# Altium PCB 1166V31.PcbDoc (part 2 of 7) (continued)
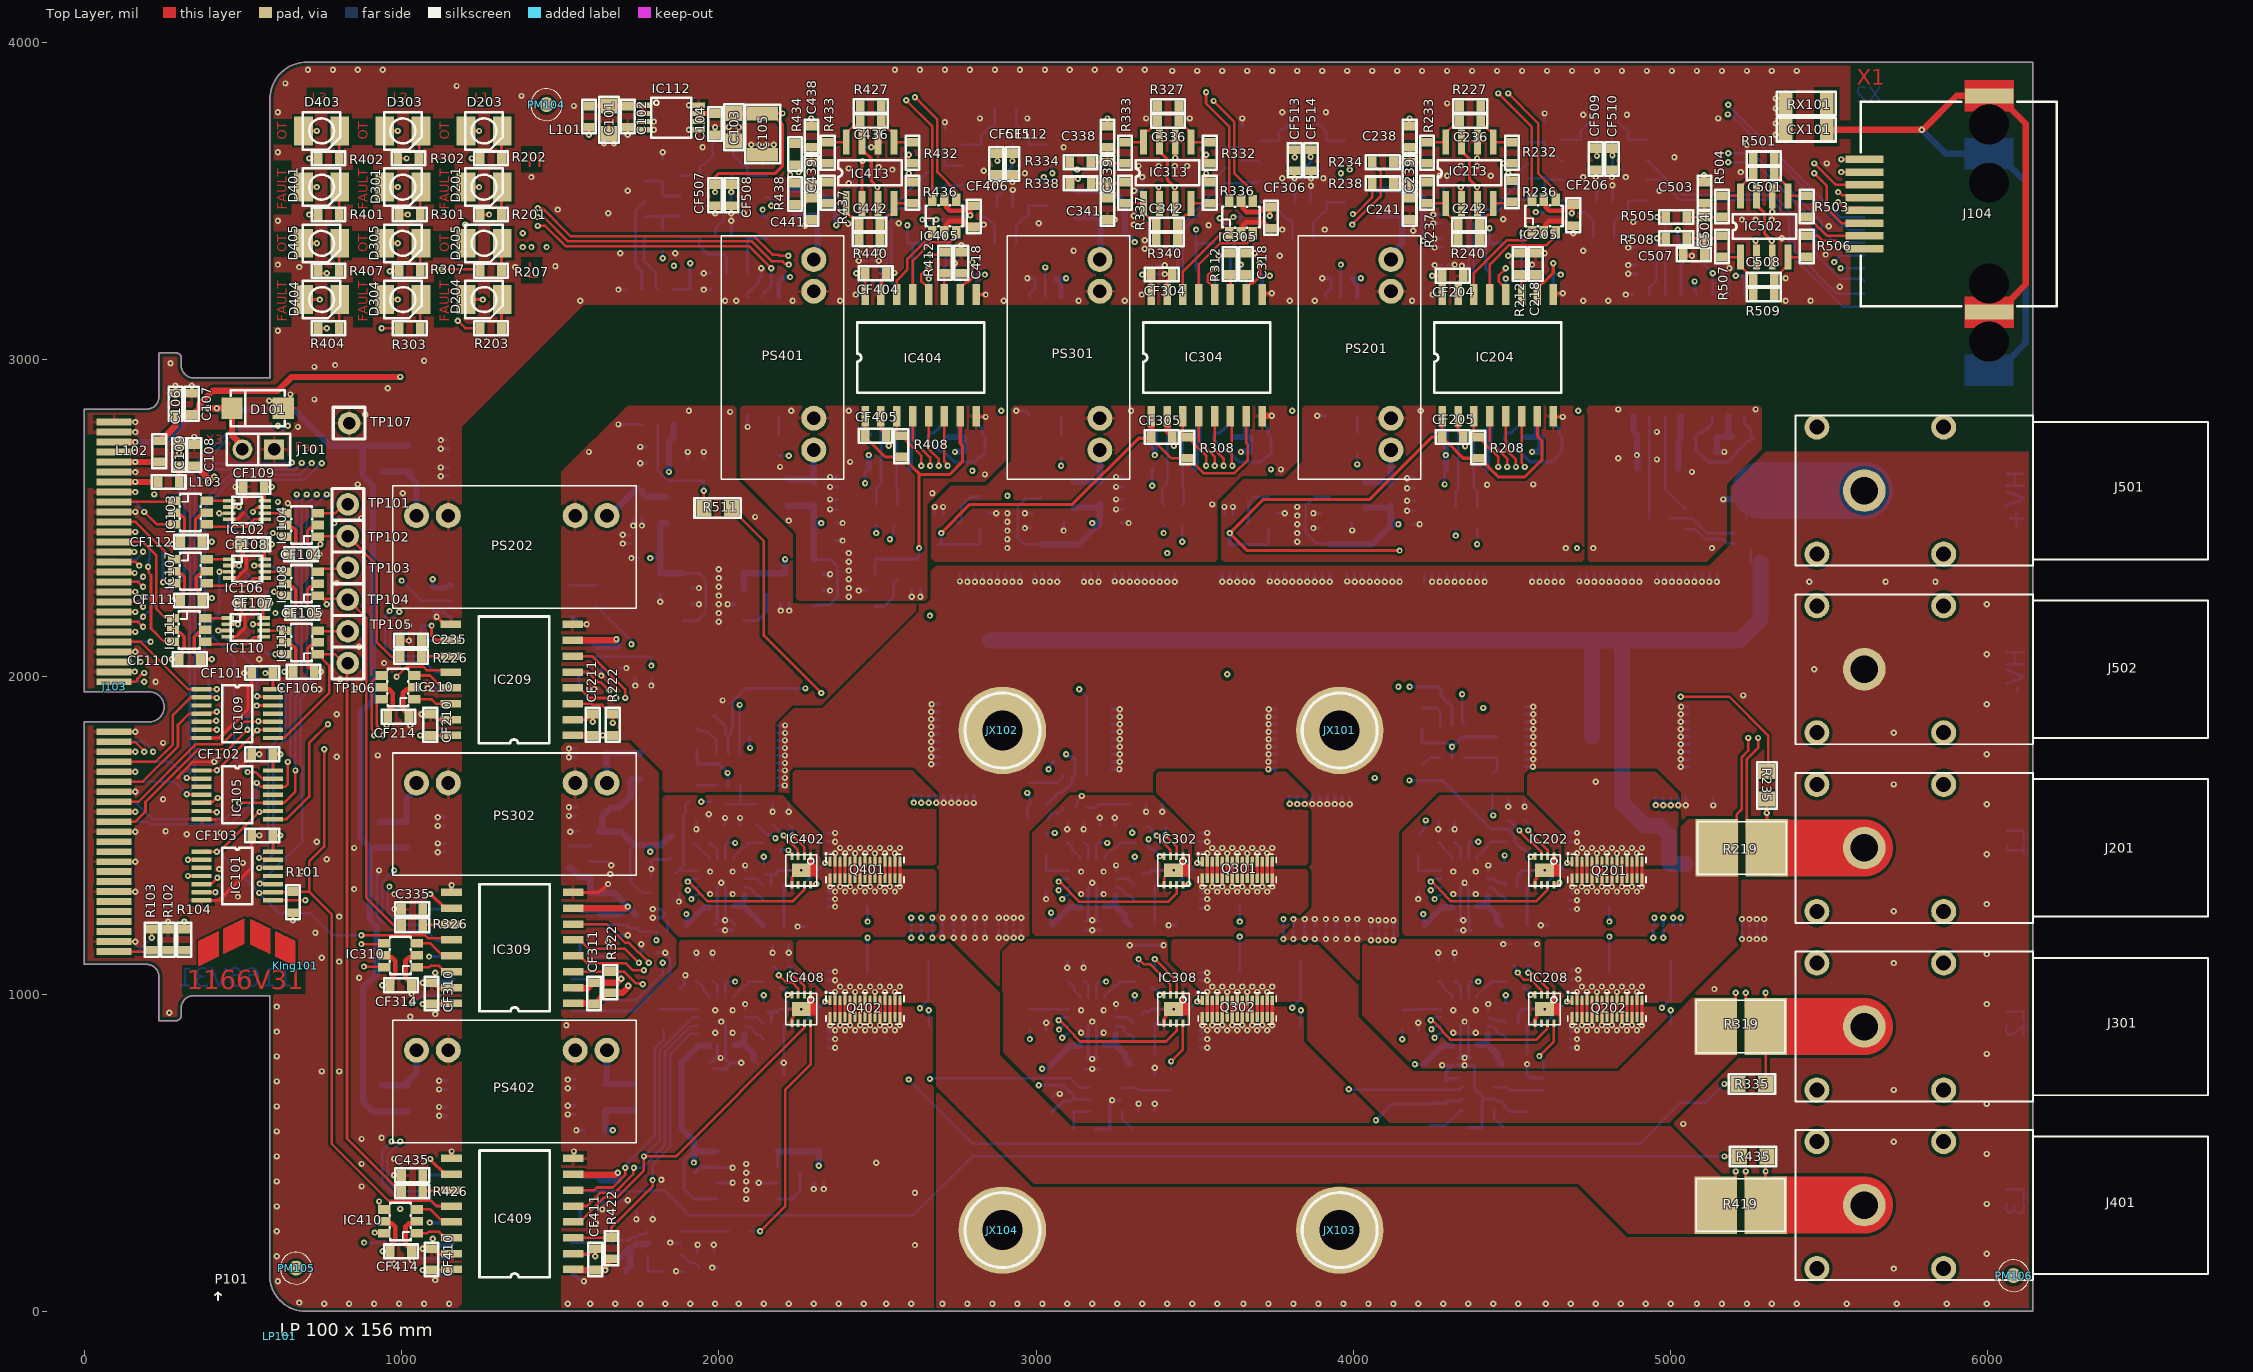
[diagram p0: Top Layer view]
## Part data (continued)
R216 R231 R316 R331 R416 R431: library part CSS2H-2512R-1L00F, "Shunt 0.001R, 5W, 1%, 50ppm/°C", Manufacturer=Bourns, Best.-Nr.="Farnell 257-6347", Class I=Pasiv, Class II="Shunt 5W", Last edited="23.11.2010 14:12"
R219 R319 R419 R517: library part GMR320HJBFA10L0, "Shunt 0.010R, 10W, 1%, 25ppm", Manufacturer=ROHM, Best.-Nr.="DigiKey 511-GMR320HJBFA10L0CT-ND; Mouser: 755-GMR320HJBFA10L0", Class I=Pasiv, Class II="Shunt 10W", Last edited="23.11.2006 14:12"

## Via types
v1: diameter 19.68, hole 7.87, Top Layer to Bottom Layer, 1594 vias

## Nets (pads, with @x,y where several pads share a name; then routed paths per layer and width w, separated by ;. In a path a pad name is that pad's centre, name@x,y a point inside that pad or via, vN(x,y) a via of type N, cw(c..) or ccw(c..) an arc to the next point about the centre after c; other vN are vias at no path point)
1P5V: C230.1 C231.1 CF208.1 CF211.2 CF217.1 CF218.1 CF222.1 CF505.1 CF506.1 IC207.1 IC207.2 IC208.4 IC209.1 IC209.7 IC212.1 IC217.5 IC503.1 R222.1 R253.1 | length 7300.1
  Top Layer w20: IC209.1@1539.37,1814.96 CF211.2@1602.36,1814.96 v1(1633.86,1814.96) R222.1@1665.35,1814.96 ; IC209.7@1539.37,2114.96 1674.02,2114.96 v1(1677.17,2118.11)
  Layer 3 w10: v1(1633.86,1814.96) 1700.79,1748.03 1700.79,1641.73 1511.81,1452.76 1511.81,1032.33 1699.61,844.53 1699.61,694.09 1901.91,491.79 3961.1,491.79 4337.8,868.49 4337.8,893.67 4327.55,903.92 4327.55,929.11 4346.46,948.01 4346.46,1059.06 4366.14,1078.74 4474.71,1078.74 4538.86,1014.59 4542.3,1014.59 v1(4559.06,997.84)
  Layer 3 w20: v1(1677.17,2118.11) 1704.44,2145.39 2015.46,2145.39 2208.66,2338.58 v1(2208.66,2370.08) 2118.11,2370.08 v1(1842.52,2645.67)
  Layer 4 w20: v1(1633.86,1814.96) 1606.3,1814.96 1570.87,1850.39 1570.87,2011.81 v1(1677.17,2118.11)
  Bottom Layer w10: v1(4070.87,602.36) 4122.05,653.54 R253.1@4240.16,653.54 4242.13,655.51 CF222.1@4289.37,655.51 ; CF222.1@4291.34,657.48 CF222.1@4289.37,655.51 ; IC217.5@4342.52,669.29 4336.61,663.39 4297.24,663.39 CF222.1@4289.37,655.51 ; C231.1@4535.43,1019.68 4539.37,1019.68 4559.06,1000 v1(4559.06,997.84)
  Bottom Layer w20: IC212.1@1559.06,2114.17 1560.87,2112.36 1600.24,2112.36 1618.11,2094.49 CF217.1@1629.92,2094.49 CF218.1@1681.1,2094.49 1677.64,2097.95 1677.64,2117.64 v1(1677.17,2118.11) ; v1(1842.52,2645.67) CF506.1@1842.52,2673.23 1842.52,2740.16 1858.27,2755.91 1858.27,2794.09 IC503.1@1857.09,2795.28 ; IC207.2@2078.74,2276.77 IC207.1@2078.74,2326.77 C230.1@2149.61,2326.77 CF208.1@2208.66,2326.77 v1(2208.66,2370.08)
1P12V: C228.1 C229.1 C232.2 CF207.1 IC207.5 IC207.8 IC211.16 L204.2 | length 5313.6
  Layer 2 w10: v1@4193.78,776.46 v1(4193.78,778.66)
  Layer 3 w10: v1(1783.46,2374.02) 1607.08,2197.63 1607.08,1994.48 1631.53,1970.03 1631.53,1849.6 1718.79,1762.34 1718.79,1634.28 1529.81,1445.3 1529.81,1039.79 1717.61,851.98 1717.61,701.85 1909.68,509.79 3924.9,509.79 v1(4193.78,778.66)
  Bottom Layer w8: IC207.5@1885.83,2176.77 1932.68,2176.77 1958.85,2202.94 1958.85,2304.93 1937.01,2326.77 IC207.8@1885.83,2326.77
  Bottom Layer w10: v1(1783.46,2374.02) C228.1@1814.96,2374.02 ; v1(4193.78,778.66) 4215.67,778.66 C232.2@4228.35,791.34
  Bottom Layer w20: L204.2@1834.65,2484.25 1816.77,2484.25 1814.96,2482.44 CF207.1@1814.96,2433.07 C228.1@1814.96,2374.02 C229.1@1814.96,2326.77 IC207.8@1885.83,2326.77 ; C232.2@4224.41,781.5 4279.68,836.77 IC211.16@4312.01,836.77
2P5V: C210.1 C211.1 CF202.1 CF205.2 CF220.1 IC201.1 IC201.2 IC202.4 IC204.1 IC204.7 IC215.5 R208.1 R247.1 | length 3630.6
  Top Layer w10: v1@3606.3,2452.76 v1@3608.27,2450.79 ; v1(4145.67,2397.64) 3665.35,2397.64 v1(3610.24,2452.76) 3716.54,2559.06 4051.06,2559.06 4247.91,2755.91 CF205.2@4279.53,2755.91 ; IC204.1@4279.92,2820.87 4279.72,2820.67 4279.72,2756.1 CF205.2@4279.53,2755.91 ; IC204.7@4579.92,2820.87 4579.92,2758.66 4594.49,2744.09 4594.49,2683.73 4540.68,2629.92 4456.01,2629.92 4431.21,2654.72 4431.21,2655.4 4397.64,2688.98 R208.1@4393.7,2688.98 4346.46,2688.98 4292.24,2743.19 4288.31,2743.19 4279.53,2751.97 CF205.2@4279.53,2755.91
  Layer 3 w10: v1(4145.67,2397.64) 4177.17,2366.14 v1(4177.17,1968.5) v1@4177.17,1673.23
  Bottom Layer w10: CF202.1@3606.3,2417.32 CF202.1@3610.24,2417.32 ; v1(3610.24,2452.76) CF202.1@3610.24,2417.32 ; IC201.2@3732.28,2467.32 IC201.1@3732.28,2417.32 C210.1@3665.35,2417.32 CF202.1@3610.24,2417.32 ; v1(4176.72,1673.23) 4279.53,1673.23 4432.29,1520.46 4486.11,1520.46 4508.57,1498 4508.57,1479.61 4531.5,1456.69 C211.1@4535.43,1456.69 4539.37,1456.69 4557.2,1438.86 4557.2,1434.92 v1(4559.06,1433.07) ; v1(4177.17,1968.5) R247.1@4263.78,1968.5 4267.72,1968.5 4276.5,1959.72 4276.5,1940.04 4311.02,1905.51 CF220.1@4311.02,1901.57 IC215.5@4311.02,1846.46
2P12V: C208.1 C209.1 C215.2 CF201.1 IC201.5 IC201.8 IC206.16 L202.2 | length 2111.6
  Layer 2 w10: v1@4219.66,1251.97 v1(4220.47,1251.97)
  Layer 3 w10: v1(4141.73,2480.31) 4199.57,2422.48 4199.57,2190.98 4200.01,2190.54 4200.01,1660.64 4141.73,1602.36 4141.73,1329.9 v1@4219.66,1251.97
  Bottom Layer w8: IC201.8@3925.2,2417.32 3921.26,2421.26 3881.89,2421.26 3850.39,2452.76 3850.39,2539.37 3878.35,2567.32 IC201.5@3925.2,2567.32
  Bottom Layer w10: v1(4220.47,1251.97) 4220.47,1220.47 C215.2@4224.41,1216.54
  Bottom Layer w20: IC201.8@3925.2,2417.32 4059.06,2417.32 4118.11,2476.38 C208.1@4118.11,2480.31 ; L202.2@4035.43,2531.5 4037.24,2533.31 4112.05,2533.31 CF201.1@4118.11,2539.37 C208.1@4118.11,2480.31 ; v1(4141.73,2480.31) C208.1@4118.11,2480.31 ; C215.2@4224.41,1216.54 4224.41,1218.5 4279.69,1273.78 IC206.16@4312.01,1273.78
3P5V: C330.1 C331.1 CF308.1 CF311.2 CF317.1 CF318.1 CF322.1 IC307.1 IC307.2 IC308.4 IC309.1 IC309.7 IC312.1 IC317.5 R322.1 R353.1 | length 3694.8
  Top Layer w20: IC309.1@1541.34,970.47 CF311.2@1612.2,970.47 ; IC309.7@1543.31,1268.66 1545.12,1270.47 1707.48,1270.47 v1(1712.6,1275.59) ; CF311.2@1606.3,968.5 1610.24,968.5 CF311.2@1612.2,970.47 ; v1(1714.6,1025.97) 1714.6,1021.69 1696.85,1003.94 R322.1@1657.48,1003.94 1653.7,1000.16 1641.89,1000.16 CF311.2@1612.2,970.47
  Layer 3 w10: v1(1714.6,1025.97) 1716.46,1024.12 1716.46,1017.19 1833.61,900.03 1833.61,751.32 1959.14,625.79 2921.87,625.79 3164.57,868.49 3164.57,892.89 3154.32,903.14 3154.32,929.11 3177.17,951.95 3177.17,1062.99 3196.85,1082.68 3305.04,1082.68 v1(3389.76,997.95)
  Layer 4 w20: v1(1712.6,1275.59) 1685.04,1248.03 1685.04,1122.05 1719.83,1087.26 1719.83,1031.19 v1(1714.6,1025.97)
  Bottom Layer w10: v1(3007.87,712.6) 3082.68,712.6 3105.39,689.88 3109.33,689.88 3118.11,681.1 CF322.1@3118.11,677.17 ; R353.1@3051.18,625.98 3051.18,629.92 3067.71,646.45 3071.33,646.45 3089.33,664.45 3109.33,664.45 3118.11,673.23 3124.11,667.22 IC317.5@3169.65,667.22 ; C331.1@3366.14,1019.68 3370.08,1019.68 3389.76,1000 v1(3389.76,997.95)
  Bottom Layer w20: C330.1@1527.56,1397.64 1531.5,1397.64 1559.41,1369.72 1593.66,1369.72 IC307.2@1594.49,1368.9 IC307.1@1594.49,1318.9 1669.29,1318.9 v1(1712.6,1275.59) ; IC312.1@1562.99,1267.72 1564.8,1265.91 1615.98,1265.91 1629.92,1251.97 CF317.1@1633.86,1251.97 CF318.1@1685.04,1251.97 1688.98,1251.97 v1(1712.6,1275.59) ; CF308.1@1736.22,1251.97 v1(1712.6,1275.59)
3P12V: C328.1 C329.1 C332.2 CF307.1 IC307.5 IC307.8 IC311.16 L304.2 | length 2951.3
  Layer 3 w10: v1(1783.46,1448.82) 1685.04,1350.39 1685.04,1087.84 1737.44,1035.43 1737.44,1021.66 1750.83,1008.28 1851.61,907.49 1851.61,758.77 1966.6,643.79 2898.09,643.79 v1(3018.88,764.58)
  Bottom Layer w8: 1735,1469.72 1720.47,1455.2 1720.47,1357.28 1758.86,1318.9 IC307.8@1787.4,1318.9
  Bottom Layer w10: v1(3018.88,764.58) 3040.17,764.58 C332.2@3055.12,779.53
  Bottom Layer w20: L304.2@1751.97,1677.17 1724.41,1677.17 1722.6,1675.35 1722.6,1624.17 1685.04,1586.61 1657.48,1586.61 CF307.1@1645.67,1574.8 1632.05,1561.18 1632.05,1525.75 1622.05,1515.75 C328.1@1622.05,1511.81 1692.91,1511.81 1735,1469.72 1786.57,1469.72 IC307.5@1787.4,1468.9 ; v1(1783.46,1448.82) 1783.46,1468.07 1784.29,1468.9 IC307.5@1787.4,1468.9 ; C329.1@1850.39,1496.06 1846.61,1492.28 1839.33,1492.28 1815.94,1468.9 IC307.5@1787.4,1468.9 ; C332.2@3051.18,781.5 3106.46,836.77 IC311.16@3138.78,836.77
3V3: C108.2 C109.2 C213.1 C214.1 C238.2 C313.1 C314.1 C338.2 C413.1 C414.1 C438.2 C503.2 C505.1 C506.1 C516.2 C529.2 C534.2 C539.2 CF101.2 CF102.2 CF103.2 CF104.1 CF105.1 CF106.1 CF107.1 CF108.1 CF109.1 CF110.1 CF111.1 CF112.1 CF204.1 CF206.1 CF210.1 CF214.1 CF215.1 CF216.1 CF219.2 CF221.2 CF304.1 CF306.1 CF310.1 CF314.1 CF315.1 CF316.1 CF319.2 CF321.2 CF404.1 CF406.1 CF410.1 CF414.1 CF415.1 CF416.1 CF419.2 CF421.2 CF503.1 CF504.1 D201.1 D203.1 D204.1 D205.1 D301.1 D303.1 D304.1 D305.1 D401.1 D403.1 D404.1 D405.1 IC101.14 IC102.8 IC103.5 IC104.5 IC105.14 IC106.8 IC107.5 IC108.5 IC109.14 IC110.8 IC111.5 IC113.5 IC203.12 IC204.10 IC204.16 IC205.5 IC209.10 IC209.16 IC210.5 IC212.8 IC214.6 IC216.6 IC303.12 IC304.10 IC304.16 IC305.5 IC309.10 IC309.16 IC310.5 IC312.8 IC314.6 IC316.6 IC403.12 IC404.10 IC404.16 IC405.5 IC409.10 IC409.16 IC410.5 IC412.8 IC414.6 IC416.6 IC501.12 IC503.8 L101.1 L103.2 R104.1 R204.2 R304.2 R403.2 R502.2 | length 6567.8
  Top Layer w10: R104.1@314.96,1204.72 v1(314.96,1228.35) ; CF110.1@366.14,2059.06 346.46,2078.74 346.46,2126.35 359.14,2139.04 373.03,2139.04 IC111.5@381.53,2147.54 ; CF111.1@370.08,2240.16 361.3,2248.94 361.3,2267.86 352.96,2276.19 352.96,2313.96 363.08,2324.08 376.96,2324.08 IC107.5@385.46,2332.58 ; CF110.1@374.02,2055.12 v1(401.57,2055.12) ; CF112.1@374.02,2425.2 350.39,2448.82 350.39,2496.43 363.08,2509.12 376.96,2509.12 IC103.5@385.46,2517.62 ; CF111.1@377.95,2248.03 v1(401.57,2248.03) ; CF112.1@381.89,2425.2 v1(401.57,2425.2) ; IC110.8@564.96,2185.04 563.9,2185.04 562.99,2185.94 CF107.1@562.99,2232.28 v1(586.61,2232.28) ; IC106.8@568.9,2370.08 567.83,2370.08 566.93,2370.98 CF108.1@566.93,2417.32 v1(590.55,2417.32) ; IC102.8@568.9,2555.12 567.83,2555.12 566.93,2556.02 CF109.1@566.93,2598.43 v1(590.55,2598.43) ; v1(570.87,2011.81) CF101.2@594.49,2011.81 IC109.14@594.49,1960.63 ; IC101.14@594.49,1448.82 CF103.2@594.49,1500 v1(618.11,1500) ; IC105.14@594.49,1704.72 CF102.2@594.49,1755.91 v1(618.11,1755.91) ; v1(625.98,2385.83) CF104.1@649.61,2385.83 658.39,2394.61 658.39,2413.89 666.36,2421.86 666.36,2462.89 659.5,2469.75 642.36,2469.75 IC104.5@633.86,2478.25 ; v1(630.05,2200.79) CF105.1@653.54,2200.79 662.32,2209.57 662.32,2221.38 666.36,2225.41 666.36,2274.59 656.24,2284.71 642.36,2284.71 IC108.5@633.86,2293.21 ; v1(630.94,2015.75) CF106.1@657.48,2015.75 665.35,2023.62 665.35,2039.37 666.36,2040.37 666.36,2089.55 656.24,2099.67 642.36,2099.67 IC113.5@633.86,2108.17 ; D404.1@690.94,3188.98 v1@734.44,3188.98 ; D405.1@690.94,3366.14 v1(732.28,3366.14) ; D401.1@690.94,3543.31 v1(732.28,3543.31) ; D403.1@690.94,3720.47 v1(732.28,3720.47) ; D304.1@946.85,3188.98 v1(988.19,3188.98) ; D305.1@946.85,3366.14 v1(988.19,3366.14) ; D301.1@946.85,3543.31 v1(988.19,3543.31) ; D303.1@946.85,3720.47 v1(988.19,3720.47) ; v1(1059.06,1814.96) CF210.1@1090.55,1814.96 IC209.16@1155.51,1814.96 ; v1(1066.93,129.92) CF410.1@1094.49,129.92 IC409.16@1159.45,129.92 ; v1(1066.93,968.5) CF310.1@1094.49,968.5 IC309.16@1159.45,968.5 ; v1(1090.55,480.31) 1090.55,478.15 1138.78,429.92 IC409.10@1159.45,429.92 ; v1(1090.55,1314.96) 1092.32,1314.96 1138.78,1268.5 IC309.10@1159.45,1268.5 ; v1(1094.49,2161.42) 1094.49,2129.92 1109.45,2114.96 IC209.10@1155.51,2114.96 ; D205.1@1200.79,3383.86 v1(1200.79,3425.2) ; D204.1@1202.76,3188.98 v1(1255.91,3188.98) ; D201.1@1202.76,3543.31 v1(1244.09,3543.31) ; D203.1@1202.76,3720.47 v1(1244.09,3720.47) ; v1(1590.55,3708.66) L101.1@1590.55,3732.28 ; v1(2291.34,3759.84) 2291.73,3759.45 C438.2@2291.73,3736.22 ; v1(2432.95,3271.65) CF404.1@2460.63,3271.65 2460.83,3271.46 2460.83,3204.92 IC404.16@2461.02,3204.72 ; IC404.10@2761.02,3204.72 2761.02,3225.39 2780.5,3244.87 2786.88,3244.87 2799.21,3257.21 v1(2799.21,3307.09) ; C338.2@3224.8,3736.22 v1(3224.8,3759.84) ; v1(3334.52,3267.72) CF304.1@3362.2,3267.72 3362.4,3267.52 3362.4,3204.92 IC304.16@3362.6,3204.72 ; IC304.10@3662.6,3204.72 3662.6,3225.39 3678.14,3240.94 3684.52,3240.94 3704.72,3261.14 v1(3704.72,3303.28) ; C238.2@4177.17,3736.22 v1(4177.17,3759.84) ; v1(4247.91,3263.78) CF204.1@4279.53,3263.78 4279.72,3263.58 4279.72,3204.92 IC204.16@4279.92,3204.72 ; IC204.10@4579.92,3204.72 4579.92,3225.39 4595.46,3240.94 4597.9,3240.94 4629.92,3272.95 v1(4629.92,3303.28) ; v1(5022.1,3408.79) v1@5022.1,3410.97 ; v1(5104.63,3581.01) 5104.63,3560.72 C503.2@5106.3,3559.06
  Top Layer w15: IC210.5@937.37,1966.44 943.37,1960.44 960.79,1960.44 972.44,1948.79 972.44,1909.09 962.97,1899.62 962.97,1880.3 CF214.1@956.69,1874.02 ; v1(939.42,1027.56) CF314.1@964.57,1027.56 970.85,1033.84 970.85,1055.23 980.31,1064.7 980.31,1104.4 968.66,1116.05 951.24,1116.05 IC310.5@945.24,1122.05 ; v1(940.94,188.98) CF414.1@964.57,188.98 970.85,195.26 970.85,216.65 980.31,226.12 980.31,265.81 968.66,277.46 951.24,277.46 IC410.5@945.24,283.46 ; v1(952.76,1846.46) CF214.1@952.76,1874.02 ; IC405.5@2710.53,3503.57 2716.53,3497.57 2716.53,3480.15 2728.18,3468.5 2767.88,3468.5 2777.35,3477.97 CF406.1@2792.93,3477.97 ; v1(2792.46,3454.07) 2791.57,3454.97 2791.57,3456.47 2791.34,3456.69 2791.34,3472.44 2792.93,3474.04 CF406.1@2792.93,3477.97 ; CF406.1@2803.15,3484.25 2799.21,3484.25 CF406.1@2792.93,3477.97 ; IC305.5@3645.67,3499.64 3651.67,3493.64 3651.67,3476.22 3663.25,3464.64 3703.09,3464.64 3712.49,3474.04 3733.88,3474.04 CF306.1@3736.22,3476.38 ; v1(3736.22,3452.83) CF306.1@3736.22,3476.38 ; CF306.1@3740.16,3480.31 CF306.1@3736.22,3476.38 ; IC205.5@4600.3,3503.57 4606.3,3497.57 4606.3,3480.15 4617.88,3468.57 4657.72,3468.57 4668.04,3478.9 4692.91,3478.9 4690.3,3476.29 4690.3,3464.33 4687.87,3461.9 v1(4687.87,3460.63)
  Top Layer w20: L103.2@299.21,2614.17 C109.2@299.21,2665.35 C108.2@346.46,2665.35 350.39,2665.35 389.76,2625.98 ; v1(393.53,2614.35) v1(409.28,2630.09)
  Bottom Layer w10: v1(1090.55,480.31) CF215.1@1066.93,480.31 CF216.1@1066.93,429.13 IC412.8@1137.8,429.13 ; v1(1090.55,1314.96) CF315.1@1066.93,1314.96 CF316.1@1066.93,1263.78 1070.87,1267.72 IC312.8@1137.8,1267.72 ; v1(1094.49,2161.42) CF415.1@1062.99,2161.42 CF416.1@1062.99,2114.17 IC212.8@1133.86,2114.17 ; v1(1822.83,3318.9) C516.2@1822.83,3342.52 ; IC503.8@1857.09,3220.47 CF504.1@1909.45,3220.47 CF503.1@1909.45,3271.65 v1(1909.45,3303.15) ; C413.1@2594.49,3366.14 v1(2594.49,3423.42) ; IC403.12@2611.02,3204.72 2611.02,3357.48 C413.1@2602.36,3366.14 R403.2@2657.48,3366.14 ; v1(2685.32,3440.94) C534.2@2708.66,3440.94 ; v1(3503.94,3409.45) C313.1@3503.94,3366.14 ; IC303.12@3512.6,3204.72 3512.6,3274.8 C314.1@3503.94,3283.46 C313.1@3503.94,3366.14 ; R304.2@3559.06,3366.14 C313.1@3503.94,3366.14 ; v1(3622.05,3448.82) C539.2@3645.67,3448.82 ; v1(4429.26,3413.39) 4429.26,3378.08 C213.1@4417.32,3366.14 ; IC203.12@4429.92,3204.72 4429.92,3270.87 C214.1@4417.32,3283.46 C213.1@4417.32,3366.14 ; R204.2@4472.44,3366.14 C213.1@4417.32,3366.14 ; v1(4574.8,3464.57) C529.2@4598.43,3464.57 ; v1(5022.1,3408.79) 5022.1,3371.6 C505.1@5027.56,3366.14 ; IC501.12@5032.28,3204.72 5032.28,3361.42 C505.1@5027.56,3366.14 ; R502.2@5102.36,3366.14 C505.1@5027.56,3366.14
  Bottom Layer w15: v1(1098.43,228.47) 1099.32,227.58 1099.32,203.13 1105.6,196.85 CF421.2@1106.3,196.85 1110.24,196.85 1120.49,207.11 1153.17,207.11 IC416.6@1161.42,215.35 ; v1(1098.43,2307.09) CF221.2@1098.43,2279.53 1138.19,2279.53 1147.64,2288.98 IC216.6@1157.48,2288.98 ; v1(1106.3,1067.05) CF321.2@1106.3,1031.5 1110.24,1031.5 1116.56,1037.81 1153.17,1037.81 IC316.6@1161.42,1046.06 ; IC414.6@2188.98,3196.85 2188.98,3244.09 2200.79,3255.91 CF419.2@2200.79,3259.84 v1(2224.41,3259.84) ; IC314.6@3078.74,3196.85 3078.74,3236.9 3069.95,3245.69 3069.27,3245.69 3062.99,3251.97 CF319.2@3062.99,3255.91 v1(3094.49,3255.91) ; IC214.6@4011.81,3196.85 4011.81,3236.9 4003.02,3245.69 4002.34,3245.69 3996.06,3251.97 CF219.2@3996.06,3255.91 v1(4023.62,3255.91)
  other v1: 741.94,3188.98
4P5V: C310.1 C311.1 CF302.1 CF305.2 CF320.1 IC301.1 IC301.2 IC302.4 IC304.1 IC304.7 IC315.5 R308.1 R347.1 | length 3256.3
  Top Layer w8: CF305.2@3362.2,2755.91 3362.2,2751.97 3425.2,2688.98 R308.1@3476.38,2688.98 3480.32,2688.98 3527.56,2641.73 3625.88,2641.73 3667.51,2683.36 3667.51,2731.21 3662.6,2736.12 IC304.7@3662.6,2820.87
  Top Layer w10: v1(2700.79,2452.76) 2791.34,2543.31 3114.17,2543.31 3322.83,2751.97 CF305.2@3362.2,2751.97
  Top Layer w20: CF305.2@3362.2,2755.91 3362.4,2756.1 3362.4,2820.67 IC304.1@3362.6,2820.87
  Layer 2 w10: v1(3094.49,1755.91) 3352.48,1497.92 3352.48,1490.04 v1(3354.33,1488.19)
  Layer 3 w10: v1(2700.79,2452.76) 2795.28,2452.76 2866.14,2381.89 3027.56,2381.89 3091.77,2317.68 3091.77,1778.31 3094.49,1775.59 v1(3094.49,1755.91)
  Bottom Layer w10: CF302.1@2692.91,2417.32 CF302.1@2700.79,2417.32 ; v1(2700.79,2452.76) CF302.1@2700.79,2417.32 ; IC301.2@2822.83,2467.32 IC301.1@2822.83,2417.32 C310.1@2751.97,2417.32 CF302.1@2700.79,2417.32 ; R347.1@3031.5,1598.43 3035.43,1598.43 3072.66,1635.65 3082.6,1635.65 3113.55,1666.59 3113.55,1680.48 IC315.5@3122.05,1688.98 CF320.1@3122.05,1736.22 3122.05,1740.16 3113.27,1748.94 3104.08,1748.94 3097.11,1755.91 v1(3094.49,1755.91) ; v1(3354.33,1488.19) 3354.33,1465.47 3363.11,1456.69 3370.08,1456.69 3389.76,1437.01 v1(3389.76,1434.85)
4P12V: C308.1 C309.1 C315.2 CF301.1 IC301.5 IC301.8 IC306.16 L302.2 | length 2157.7
  Layer 3 w10: v1(3047.24,1255.91) 3028.3,1274.85 3020.42,1274.85 2972.44,1322.83 2972.44,1601.55 3117.33,1746.44 3117.33,1779.84 3109.77,1787.4 3109.77,2416.86 v1(3177.17,2484.25)
  Bottom Layer w8: IC301.8@3015.75,2417.32 2964.57,2417.32 2942.72,2439.17 2942.72,2537.21 2966.01,2560.5 3008.92,2560.5 IC301.5@3015.75,2567.32
  Bottom Layer w10: v1(3047.24,1255.91) 3047.24,1224.41 3052.17,1219.49 C315.2@3055.12,1216.54
  Bottom Layer w20: IC301.8@3015.75,2417.32 C309.1@3086.61,2417.32 3133.86,2417.32 3193.07,2476.54 3197.01,2476.54 3200.79,2480.31 C308.1@3200.79,2484.25 ; C315.2@3052.17,1219.49 3106.46,1273.78 IC306.16@3138.78,1273.78 ; L302.2@3118.11,2531.5 3119.92,2533.31 3190.79,2533.31 CF301.1@3200.79,2543.31 C308.1@3200.79,2484.25 ; v1(3177.17,2484.25) C308.1@3200.79,2484.25
5P5V: C430.1 C431.1 CF408.1 CF411.2 CF417.1 CF418.1 CF422.1 IC407.1 IC407.2 IC408.4 IC409.1 IC409.7 IC412.1 IC417.5 R422.1 R453.1 | length 2550.7
  Top Layer w10: v1(2216.54,997.95) 2230.24,997.95 IC408.4@2230.32,998.03 IC408.4@2230.32,999.92
  Top Layer w20: IC409.1@1543.31,129.92 CF411.2@1610.24,129.92 v1(1641.73,129.92) 1641.73,145.67 1653.7,157.64 1653.7,161.57 1657.48,165.35 R422.1@1661.42,165.35 ; IC409.7@1543.31,429.92 1674.02,429.92 v1(1681.1,437.01)
  Layer 1 w10: v1(2216.54,997.95) 2216.54,929.13 2251.79,893.88 2251.79,522.12 v1(2314.96,458.94)
  Layer 3 w20: v1(1641.73,129.92) 1681.1,169.29 1681.1,326.77 ; v1(1681.1,437.01) 1681.1,326.77 ; v1(2314.96,458.94) 2178.28,322.27 1685.61,322.27 1681.1,326.77
  Bottom Layer w10: IC407.2@2185.04,453.94 IC407.1@2185.04,503.94 ; C431.1@2192.91,1019.68 2196.85,1019.68 2216.54,1000 v1(2216.54,997.95)
  Bottom Layer w20: IC412.1@1564.8,427.32 1615.98,427.32 CF417.1@1629.92,413.39 ; CF417.1@1633.86,413.39 CF418.1@1685.04,413.39 ; v1(1641.73,129.92) 1641.73,145.67 1665.35,169.29 1688.98,169.29 1716.54,196.85 CF422.1@1720.47,196.85 ; CF418.1@1681.57,416.85 v1@1681.57,436.54 ; R453.1@1708.66,125.98 1708.66,129.92 1720.47,141.73 CF422.1@1720.47,196.85 ; IC417.5@1775.59,214.67 1772.09,211.17 1738.72,211.17 1724.41,196.85 CF422.1@1720.47,196.85 ; IC407.1@2185.04,503.94 C430.1@2255.91,503.94 CF408.1@2314.96,503.94 v1(2314.96,458.94)
5P12V: C428.1 C429.1 C432.2 CF407.1 IC407.5 IC407.8 IC411.16 L404.2 | length 1238.7
  Layer 3 w20: v1(1665.35,570.87) 1790.31,570.87 1892.39,468.79 v1(1921.26,468.79)
  Bottom Layer w10: C432.2@1881.89,779.53 C432.2@1881.89,781.5 ; C429.1@1921.26,503.94 1917.32,503.94 1889.76,476.38 1889.76,385.83 1921.65,353.94 IC407.5@1992.13,353.94
  Bottom Layer w20: v1(1665.35,570.87) C428.1@1641.73,570.87 CF407.1@1641.73,633.86 L404.2@1732.28,633.86 ; C432.2@1881.89,777.56 1881.89,781.5 1937.17,836.77 IC411.16@1969.49,836.77 ; C432.2@1881.89,779.53 1881.89,578.74 1921.26,539.37 C429.1@1921.26,503.94 ; v1(1921.26,468.79) C429.1@1921.26,503.94 ; IC407.8@1992.13,503.94 C429.1@1921.26,503.94
5V: C106.2 C107.2 CF213.1 CF313.1 CF413.1 CF502.1 CF508.1 CF510.1 CF512.1 CF514.1 IC213.3 IC213.7 IC313.3 IC313.7 IC413.3 IC413.7 IC502.3 IC502.7 IC504.3 IC504.7 IC505.3 IC505.7 IC506.3 IC506.7 IC507.3 IC507.7 L102.2 | length 7980.8
  Top Layer w10: v1(2039.37,3527.56) CF508.1@2039.37,3551.18 ; IC413.7@2451.57,3685.04 2451.57,3656.5 2457.4,3650.67 2463.5,3650.67 2480.32,3633.86 2480.32,3562.99 v1(2500,3543.31) 2501.57,3541.73 IC413.3@2501.57,3492.13 ; v1(2925.2,3625.98) CF512.1@2925.2,3649.61 ; IC313.7@3388.58,3685.04 3388.58,3656.5 3413.39,3631.69 3413.39,3566.93 v1(3437.01,3543.31) 3437.8,3542.52 3437.8,3517.72 3438.58,3516.93 IC313.3@3438.58,3492.13 ; v1(3864.96,3638.98) CF514.1@3864.96,3662.6 ; IC213.7@4340.94,3685.04 4340.94,3656.5 4366.14,3631.3 4366.14,3566.93 v1(4389.76,3543.31) 4390.94,3542.13 IC213.3@4390.94,3492.13 ; IC502.7@5270.08,3515.75 5270.08,3487.2 5295.28,3462.01 5295.28,3397.64 v1(5318.9,3374.02) 5319.49,3373.43 5319.49,3323.43 IC502.3@5320.08,3322.83
  Top Layer w20: L102.2@236.22,2744.09 240.16,2744.09 287.4,2791.34 C106.2@287.4,2826.77 C107.2@338.58,2826.77 342.52,2826.77 361.76,2846.02 361.76,2858.05 405.28,2901.57 610.24,2901.57 653.54,2944.88 v1(996.06,2944.88)
  Layer 4 w10: 2901.57,3503.94 2901.57,3570.87 2925.2,3594.49 v1(2925.2,3625.98) ; 3433.07,3496.06 3437.01,3500 v1(3437.01,3543.31) ; 3842.52,3503.94 3842.52,3586.61 3864.96,3609.06 v1(3864.96,3638.98) ; v1(4389.76,3543.31) 4389.76,3500 4393.7,3496.06 ; 4791.34,3496.06 4791.34,3586.61 4816.54,3611.81 v1(4816.54,3643.31)
  Layer 4 w20: v1(996.06,2944.88) 1094.49,2944.88 1649.61,3500 2011.81,3500 v1(2039.37,3527.56) 2484.25,3527.56 v1(2500,3543.31) 2547.24,3496.06 3433.07,3496.06 4393.7,3496.06 4791.34,3496.06 5027.56,3496.06 5196.85,3326.77 5295.28,3326.77 5318.9,3350.39 v1(5318.9,3374.02)
  Bottom Layer w10: IC504.7@1989.37,3385.83 1989.37,3414.37 2015.75,3440.75 2015.75,3480.31 2038.15,3502.72 2038.15,3526.34 v1(2039.37,3527.56) IC504.3@2039.37,3578.74 ; v1(2500,3543.31) 2500,3519.69 CF413.1@2503.94,3515.75 ; IC506.7@2876.38,3484.25 2876.38,3512.8 2901.57,3537.99 2901.57,3583.62 2923.34,3605.39 2923.34,3624.13 v1(2925.2,3625.98) 2926.38,3627.17 IC506.3@2926.38,3677.17 ; CF313.1@3437.01,3519.69 v1(3437.01,3543.31) ; IC507.7@3814.96,3496.06 3814.96,3524.61 3842.52,3552.17 3842.52,3598.43 3843.15,3598.43 3865.86,3621.13 3865.86,3638.07 v1(3864.96,3638.98) IC507.3@3864.96,3688.98 ; CF213.1@4389.76,3519.69 v1(4389.76,3543.31) ; IC505.7@4766.54,3500 4766.54,3528.54 4791.34,3553.35 4791.34,3586.61 4816.54,3611.81 v1(4816.54,3643.31) IC505.3@4816.54,3692.91 ; CF502.1@5318.9,3350.39 v1(5318.9,3374.02)
6P5V: C410.1 C411.1 CF402.1 CF405.2 CF420.1 IC401.1 IC401.2 IC402.4 IC404.1 IC404.7 IC415.5 R408.1 R447.1 | length 2707.1
  Top Layer w10: IC404.1@2461.02,2820.87 2460.83,2820.67 2460.83,2760.04 CF405.2@2460.63,2759.84 2460.63,2755.91 2523.62,2692.91 R408.1@2574.8,2692.91 2578.74,2692.91 2610.35,2661.31 2610.35,2660.62 2631.06,2639.92 ; v1(2631.06,2405.51) 2631.06,2639.92 ; IC404.7@2761.02,2820.87 2761.02,2735.04 2767.72,2728.35 2767.72,2677.17 2728.35,2637.8 2633.18,2637.8 2631.06,2639.92
  Layer 3 w10: v1(2219.49,1452.8) 2219.67,1452.99 2244.33,1452.99 2272.82,1481.48 v1(2272.82,1963.4) 2631.06,2321.63 v1(2631.06,2405.51)
  Bottom Layer w10: R447.1@1982.19,1877.95 1986.12,1877.95 2020.65,1843.43 2020.65,1819.8 CF420.1@2029.43,1811.02 ; IC415.5@2029.43,1759.48 CF420.1@2029.43,1811.02 ; C411.1@2192.91,1456.69 2194.95,1454.66 2217.63,1454.66 v1(2219.49,1452.8) ; v1(2272.82,1963.4) 2085.4,1963.4 2042.5,1920.5 2042.5,1835.59 2038.21,1831.3 2038.21,1819.8 CF420.1@2029.43,1811.02 ; IC401.2@2492.13,2320.47 IC401.1@2492.13,2370.47 2621.65,2370.47 CF402.1@2622.05,2370.08 2631.06,2379.09 v1(2631.06,2405.51)
6P12V: C408.1 C409.1 C415.2 CF401.1 IC401.5 IC401.8 IC406.16 L402.2 | length 2125.5
  Layer 2 w10: v1@1895.02,1251.97 v1(1897.64,1251.97)
  Layer 3 w10: v1@1895.02,1251.97 1879.02,1267.96 1865.09,1267.96 1851.17,1281.88 1851.17,1300.8 1858.27,1307.89 1858.27,1671.66 2322.83,2136.23 v1(2322.83,2484.25)
  Bottom Layer w10: C415.2@1897.64,1228.35 v1(1897.64,1251.97) ; CF401.1@2293.31,2537.4 CF401.1@2299.21,2543.31 ; IC401.5@2299.21,2220.47 2305.04,2226.3 2348.35,2226.3 2374.02,2251.97 2374.02,2346.46 2350.39,2370.08 2299.61,2370.08 IC401.8@2299.21,2370.47
  Bottom Layer w20: C415.2@1897.64,1216.54 1897.64,1218.5 1952.91,1273.78 IC406.16@1969.49,1273.78 ; L402.2@2216.54,2539.37 CF401.1@2287.4,2539.37 ; CF401.1@2289.21,2533.31 CF401.1@2293.31,2537.4 ; IC401.8@2299.21,2370.47 C409.1@2299.21,2429.13 C408.1@2299.21,2484.25 ; CF401.1@2299.21,2543.31 C408.1@2299.21,2484.25 ; v1(2322.83,2484.25) C408.1@2299.21,2484.25